# KiCad board fercus-right.kicad_pcb (continued)
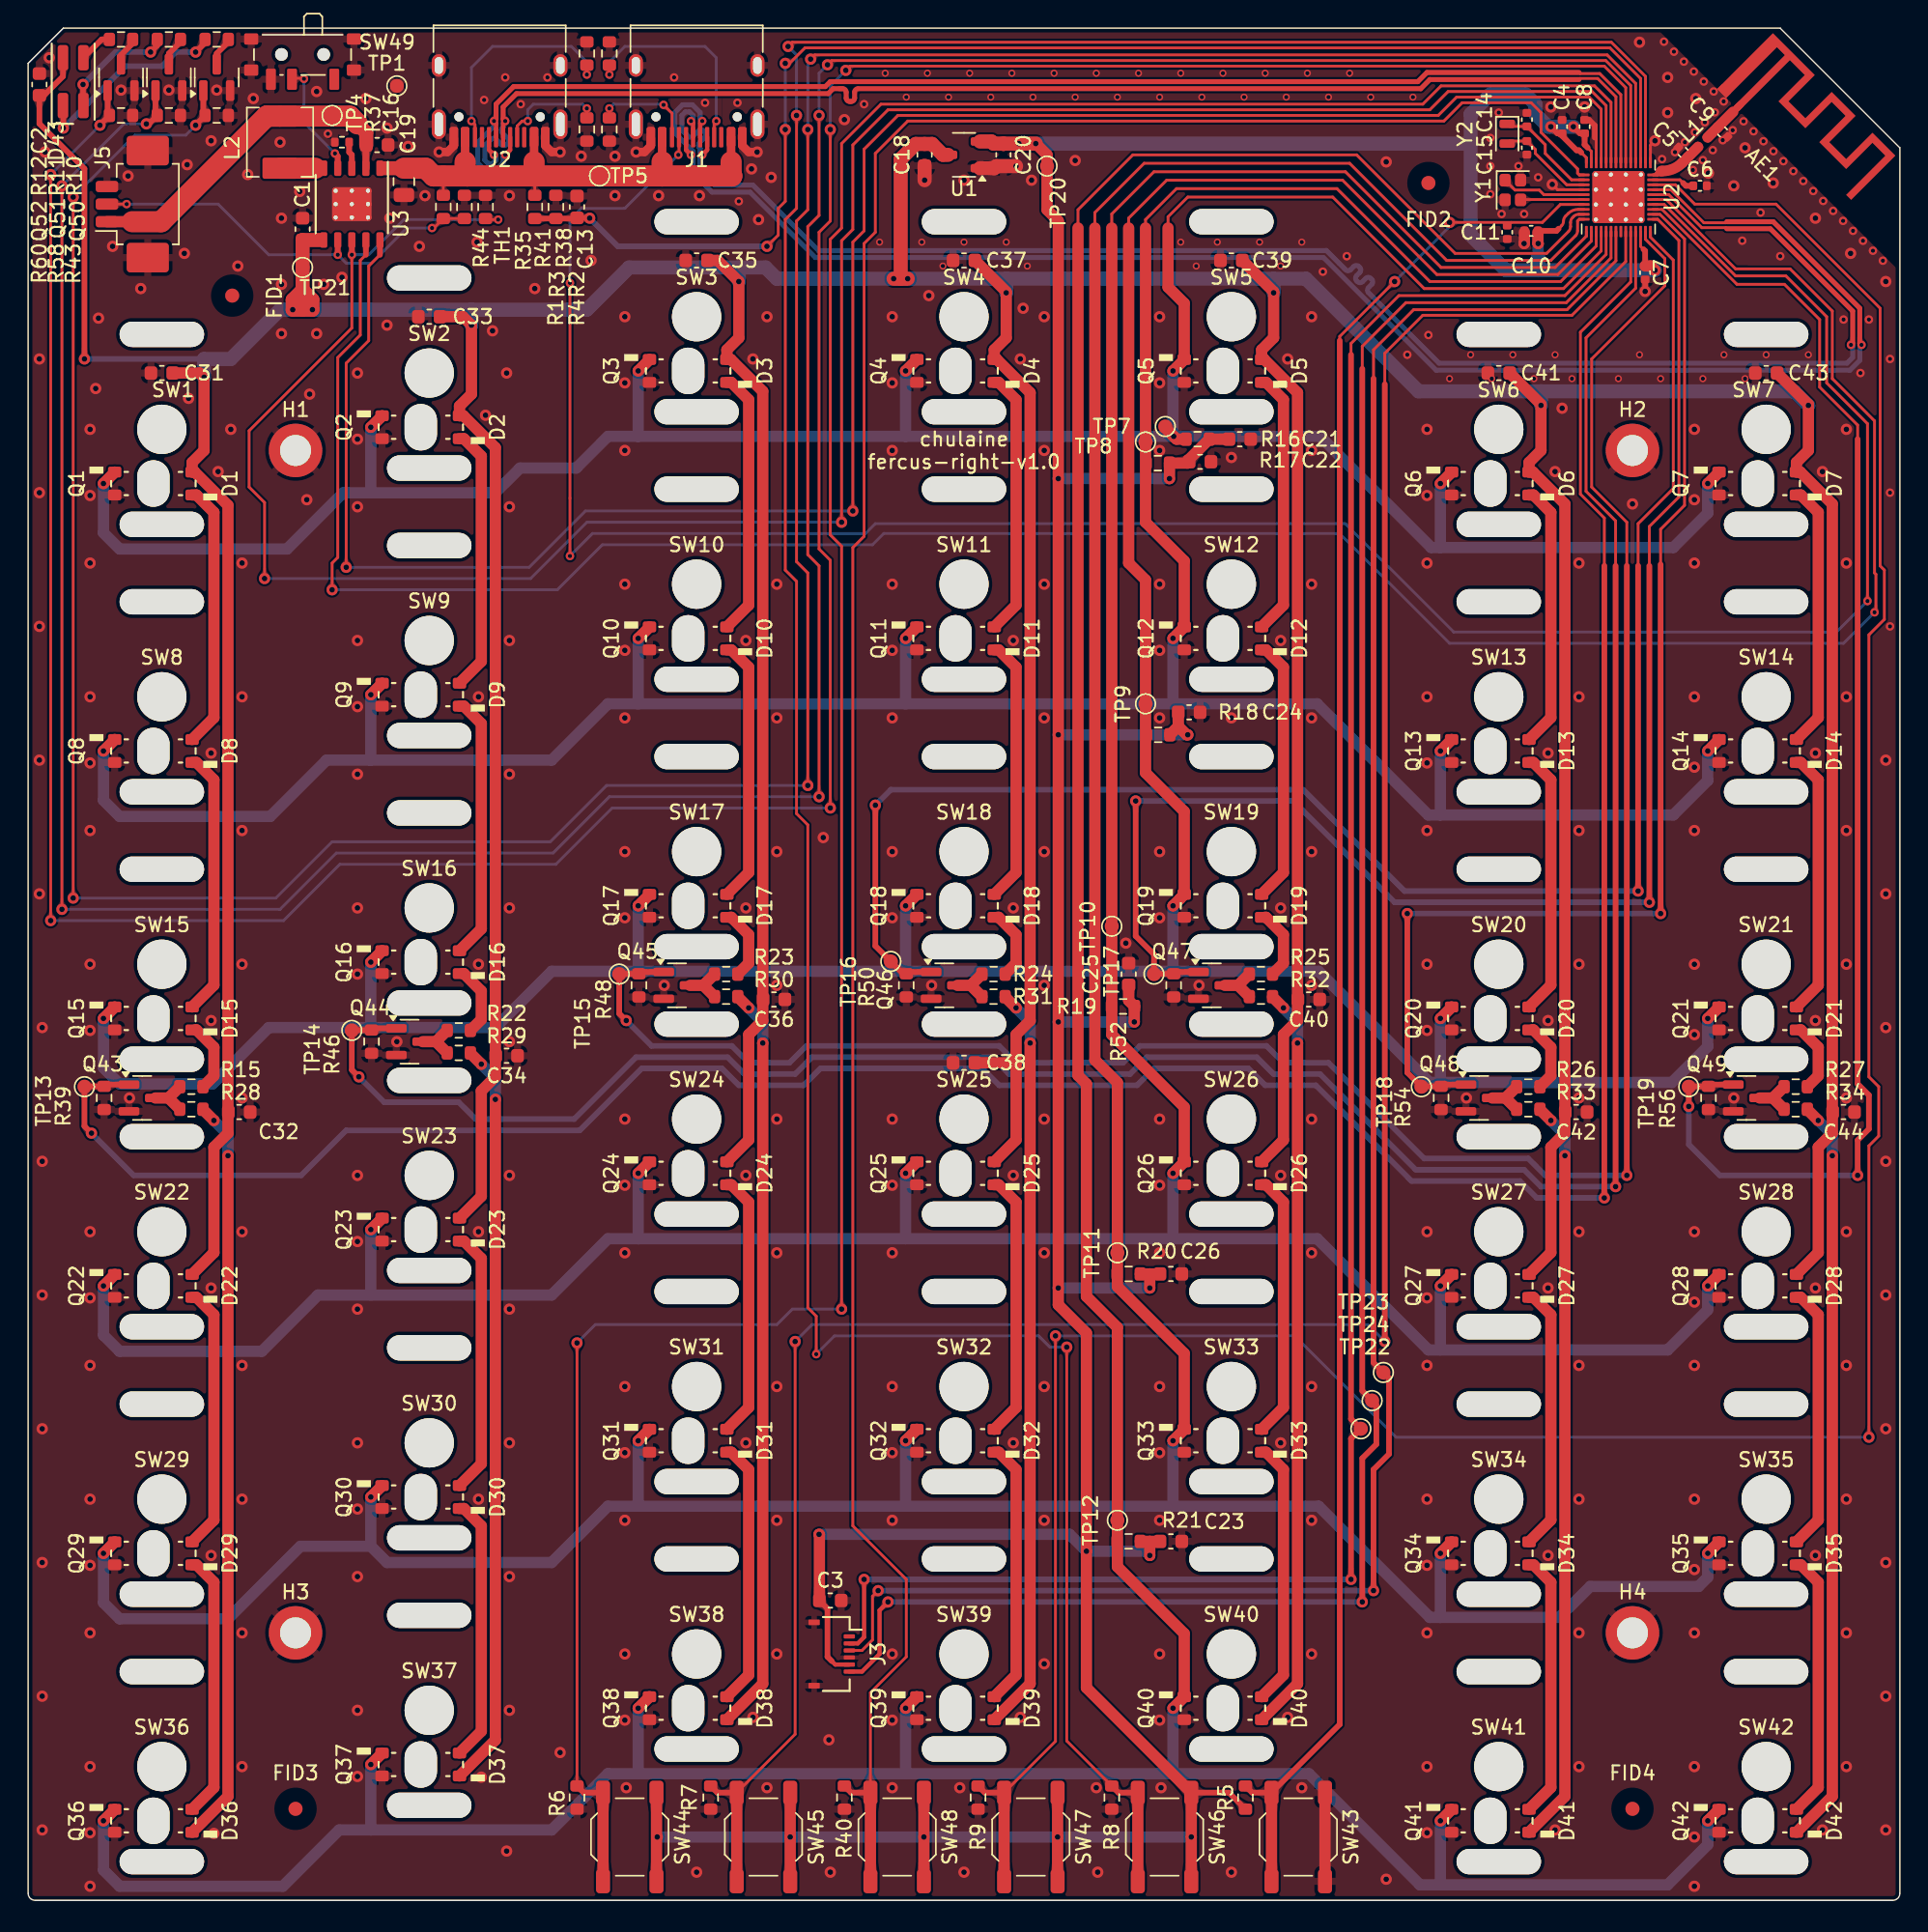
[diagram p0: board, top side]
## Routing (per net, layer and track width the routed paths; a pad name or vN(x,y) marks a point on that pad's centre or on a via; arc(x,y) is an arc through that point) (continued)
OCS32IN: length 7.5
  Top w0.2: U2.2 109.68,122.22 107.8,124.1 107.8,124.72 C14.1 105.28,126.02 Y2.1
OCS32OUT: length 7
  Top w0.2: Y2.2 105.28,124.98 C15.1 107.1,124.38 107.1,124.1 109.32,121.88 U2.3
OCSIN: length 6
  Top w0.2: Y1.1 105.65,121.5 107.38,121.5 107.7,121.17 U2.5
OCSOUT: length 4.5
  Top w0.2: Y1.3 106.08,120.83 U2.6
usart1_tx: length 169.1
  Top w0.2: v2(38.5,95.5) v2(38.5,114.9) ; v2(46.2,124) 46.25,124.05 J1.A8 ; U2.28 116.25,120.47 121.32,115.4 124.9,115.4 127.8,112.5 127.8,107.8 130.7,104.9 v2(130.7,92.3)
  Bottom w0.2: v2(130.7,92.3) 128.5,90.1 101.3,90.1 93.6,97.8 60.2,97.8 59.5,97.1 40.1,97.1 v2(38.5,95.5) ; v2(38.5,114.9) 38.5,119.4 39.3,120.2 42.4,120.2 v2(46.2,124)
usb1-vbus: length 99
  Top w0.2: v1(53.8,125.8) 53.8,120.7 53.3,120.2 53.3,118.3 v1(52.5,117.5) ; v1(53.8,130.5) 54.1,130.5 55.2,131.6 112.4,131.6 114.57,129.43 U2.37
  Top w0.4: 36,119.47 38.95,119.47 C13.1 39.88,119.53 v1(39.9,119.5)
  Bottom w0.2: v1(53.8,130.5) v1(53.8,125.8)
  Bottom w0.4: v1(39.9,119.5) 41.9,117.5 v1(52.5,117.5)
usb1_N: length 121.5
  Top w0.2: U2.30 116.58,121.17 118.93,118.83 120.62,118.83 120.7,118.75
  Top w0.3: 47.1,126.4 47.25,126.25 47.25,125.25 ; 47.9,124 48.25,124.35 48.25,125.25
  Top w0.35: 120.7,118.75 123.8,118.75 129.65,112.9 129.65,110.62 v2(129.53,110.5)
  Bottom w0.35: 47.1,126.43 47.25,126.58 47.25,126.8 47,127.05 46.7,127.05 46.45,126.8 46.45,125.76 46.89,125.32 arc(47.07,125.24) 47.25,125.32 47.63,125.7 arc(47.81,125.77) 47.99,125.7 48.08,125.61 arc(48.16,125.43) 48.08,125.25 47.7,124.87 arc(47.63,124.69) 47.7,124.5 47.75,124.46 47.75,124.18 47.9,124.03 ; v2(129.53,110.5) 129.65,110.38 129.65,109.6 129.25,109.2 100.25,109.2 95.23,114.22 arc(95.16,114.39) 95.23,114.56 95.48,114.8 arc(95.55,114.97) 95.48,115.14 95.39,115.23 arc(95.22,115.3) 95.06,115.23 94.81,114.98 arc(94.64,114.91) 94.47,114.98 94.39,115.07 arc(94.32,115.24) 94.39,115.41 94.63,115.65 arc(94.7,115.82) 94.63,115.99 94.55,116.08 arc(94.38,116.15) 94.21,116.08 93.96,115.83 arc(93.79,115.76) 93.62,115.83 92.25,117.2 56.15,117.2 51.5,121.85 48.8,121.85 47.75,122.9 47.75,123.85 v2(47.9,124)
  vias: v2(47.1,126.4)
usb1_P: length 121.5
  Top w0.2: U2.31 116.72,121.53 119.07,119.17 120.62,119.17 120.7,119.25
  Top w0.3: 47.1,124 46.75,124.35 46.75,125.25 ; 47.9,126.4 47.75,126.25 47.75,125.25
  Top w0.35: 120.7,119.25 124,119.25 130.15,113.1 130.15,110.62 v2(130.28,110.5)
  Bottom w0.35: v2(130.28,110.5) 130.15,110.38 130.15,109.4 129.45,108.7 100.05,108.7 92.05,116.7 55.95,116.7 51.3,121.35 48.6,121.35 47.25,122.7 47.25,123.85 v2(47.1,124) ; 47.1,124.03 47.25,124.18 47.25,124.25 45.95,125.55 45.95,127.01 46.5,127.55 47.2,127.55 47.75,127.01 47.75,126.58 47.9,126.43
  vias: v2(47.9,126.4)
usb2_N: length 96.7
  Top w0.2: 110.2,129.85 110.28,129.78 111.67,129.78 113.18,128.27 U2.41
  Top w0.3: J2.A7 33.25,126.25 v2(33.1,126.4) ; v2(33.9,124) 34.25,124.35 J2.B7
  Top w0.35: v2(33.1,126.4) 33.25,126.55 33.25,127.6 34.5,128.85 56.65,128.85 57,129.2 98.75,129.2 99.4,129.85 110.2,129.85
  Bottom w0.35: v2(33.9,124) 33.75,123.85 33.75,123.42 33.2,122.87 32.5,122.87 31.95,123.42 31.95,124.88 33.25,126.18 33.25,126.25 v2(33.1,126.4)
usb2_P: length 96.7
  Top w0.2: 110.2,129.35 110.28,129.43 111.53,129.43 112.82,128.13 U2.42
  Top w0.3: v2(33.9,126.4) 33.75,126.25 J2.A6 ; v2(33.1,124) 32.75,124.35 J2.B6
  Top w0.35: v2(33.9,126.4) 33.75,126.55 33.75,127.4 34.7,128.35 56.85,128.35 57.2,128.7 57.89,128.7 arc(58.06,128.63) 58.13,128.46 58.13,128.03 arc(58.2,127.86) 58.37,127.79 58.49,127.79 arc(58.66,127.86) 58.73,128.03 58.73,128.46 arc(58.8,128.63) 58.97,128.7 98.95,128.7 99.6,129.35 110.2,129.35
  Bottom w0.35: v2(33.9,126.4) 33.75,126.25 33.75,125.97 33.7,125.92 arc(33.63,125.74) 33.7,125.56 34.08,125.18 arc(34.16,125) 34.08,124.82 33.99,124.73 arc(33.81,124.65) 33.63,124.73 33.25,125.11 arc(33.07,125.18) 32.89,125.11 32.45,124.67 32.45,123.63 32.7,123.37 33,123.37 33.25,123.63 33.25,123.85 v2(33.1,124)
Net-(AE1-A): length 3.2
  Top w0.5: AE1.1 121.15,127.05
  Top w0.75: L1.2 C9.1 121.15,127.05
Net-(D1-K): length 18.8
  Top w0.8: D1.1 11.96,99.84 13.2,98.6 13.2,84.02 D8.2
Net-(D2-K): length 18.8
  Top w0.8: D9.2 32.2,88.02 32.2,102.6 30.97,103.84 D2.1
Net-(D10-A): length 18.8
  Top w0.8: D3.1 49.97,107.84 51.2,106.6 51.2,92.02 D10.2
Net-(D10-K): length 18.8
  Top w0.8: D10.1 49.97,88.83 51.2,87.6 51.2,73.02 D17.2
Net-(D11-A): length 18.8
  Top w0.8: D11.2 70.2,92.02 70.2,106.6 68.97,107.84 D4.1
Net-(D11-K): length 18.8
  Top w0.8: D11.1 68.97,88.83 70.2,87.6 70.2,73.02 D18.2
Net-(D12-A): length 18.8
  Top w0.8: D12.2 89.2,92.02 89.2,106.6 87.97,107.84 D5.1
Net-(D12-K): length 18.8
  Top w0.8: D19.2 89.2,73.02 89.2,87.6 87.97,88.83 D12.1
Net-(D13-A): length 18.8
  Top w0.8: D13.2 108.2,84.02 108.2,98.6 106.97,99.84 D6.1
Net-(D13-K): length 18.8
  Top w0.8: D20.2 108.2,65.02 108.2,79.6 106.97,80.83 D13.1
Net-(D14-A): length 18.8
  Top w0.8: D14.2 127.2,84.02 127.2,98.6 125.97,99.84 D7.1
Net-(D14-K): length 18.8
  Top w0.8: D14.1 125.97,80.83 127.2,79.6 127.2,65.02 D21.2
Net-(D15-A): length 18.8
  Top w0.8: D8.1 11.96,80.83 13.2,79.6 13.2,65.02 D15.2
Net-(D15-K): length 5
  Top w0.8: 12.42,57.8 13.2,58.58 13.2,60.6 11.96,61.83 11.86,61.83
Net-(D16-A): length 18.8
  Top w0.8: D16.2 32.2,69.02 32.2,83.6 30.97,84.83 D9.1
Net-(D16-K): length 5
  Top w0.8: 31.42,61.8 32.2,62.58 32.2,64.6 30.97,65.83 30.87,65.83
Net-(D17-K): length 5
  Top w0.8: 49.86,69.83 49.97,69.83 51.2,68.6 51.2,66.58 R23.1
Net-(D18-K): length 5
  Top w0.8: R24.1 70.2,66.58 70.2,68.6 68.97,69.83 68.86,69.83
Net-(D19-K): length 5
  Top w0.8: 87.86,69.83 87.97,69.83 89.2,68.6 89.2,66.58 R25.1
Net-(D20-K): length 5
  Top w0.8: 106.86,61.83 106.97,61.83 108.2,60.6 108.2,58.58 R26.1
Net-(D21-K): length 5
  Top w0.8: 125.87,61.83 125.97,61.83 127.2,60.6 127.2,58.58 R27.1
Net-(D22-K): length 18.8
  Top w0.8: D22.1 11.96,42.83 13.2,41.6 13.2,27.02 D29.2
Net-(D23-K): length 18.8
  Top w0.8: D23.1 30.97,46.83 32.2,45.6 32.2,31.02 D30.2
Net-(D24-K): length 18.8
  Top w0.8: D31.2 51.2,35.02 51.2,49.6 49.97,50.83 D24.1
Net-(D25-K): length 18.8
  Top w0.8: D25.1 68.97,50.83 70.2,49.6 70.2,35.02 D32.2
Net-(D26-K): length 18.8
  Top w0.8: D33.2 89.2,35.02 89.2,49.6 87.97,50.83 D26.1
Net-(D27-K): length 18.8
  Top w0.8: D34.2 108.2,27.02 108.2,41.6 106.97,42.83 D27.1
Net-(D28-K): length 18.8
  Top w0.8: D28.1 125.97,42.83 127.2,41.6 127.2,27.02 D35.2
Net-(D29-K): length 18.8
  Top w0.8: D36.2 13.2,8.01 13.2,22.6 11.96,23.84 D29.1
Net-(D30-K): length 18.8
  Top w0.8: D37.2 32.2,12.01 32.2,26.6 30.97,27.83 D30.1
Net-(D31-K): length 18.8
  Top w0.8: D31.1 49.97,31.83 51.2,30.6 51.2,16.01 D38.2
Net-(D32-K): length 18.8
  Top w0.8: D39.2 70.2,16.01 70.2,30.6 68.97,31.83 D32.1
Net-(D33-K): length 18.8
  Top w0.8: D33.1 87.97,31.83 89.2,30.6 89.2,16.01 D40.2
Net-(D34-K): length 18.8
  Top w0.8: D41.2 108.2,8.01 108.2,22.6 106.97,23.84 D34.1
Net-(D35-K): length 18.8
  Top w0.8: D42.2 127.2,8.01 127.2,22.6 125.97,23.84 D35.1
Net-(D36-K): length 53.1
  Top w0.8: 12.42,56.17 v1(13.2,55.4) ; v1(14.2,52.9) 14.2,7.38 D36.1
  Bottom w0.8: v1(13.2,55.4) 14.2,54.4 v1(14.2,52.9)
Net-(D37-K): length 53.1
  Top w0.8: D37.1 33.2,11.38 v1(33.2,56.9) ; 31.42,60.17 v1(32.2,59.4)
  Bottom w0.8: v1(33.2,56.9) 33.2,58.4 v1(32.2,59.4)
Net-(D38-K): length 53.2
  Top w0.8: v1(52.2,60.9) 52.2,15.38 D38.1 ; v1(51.2,63.4) 50.42,64.17 R30.1
  Bottom w0.8: v1(51.2,63.4) 52.2,62.4 v1(52.2,60.9)
Net-(D39-K): length 53.1
  Top w0.8: D39.1 71.2,15.38 v1(71.2,60.9) ; 69.42,64.17 v1(70.2,63.4)
  Bottom w0.8: v1(71.2,60.9) 71.2,62.4 v1(70.2,63.4)
Net-(D40-K): length 53.1
  Top w0.8: 88.42,64.17 v1(89.2,63.4) ; D40.1 90.2,15.38 v1(90.2,60.9)
  Bottom w0.8: v1(89.2,63.4) 90.2,62.4 v1(90.2,60.9)
Net-(D41-K): length 53.1
  Top w0.8: v1(109.2,52.9) 109.2,7.38 D41.1 ; 107.42,56.17 v1(108.2,55.4)
  Bottom w0.8: v1(109.2,52.9) 109.2,54.4 v1(108.2,55.4)
Net-(D42-K): length 53.1
  Top w0.8: 126.43,56.17 v1(127.2,55.4) ; v1(128.2,52.9) 128.2,7.38 D42.1
  Bottom w0.8: v1(128.2,52.9) 128.2,54.4 v1(127.2,55.4)
Net-(D43-BK): length 2.4
  Top w0.4: D43.3 5.23,132.2 R12.2
Net-(D43-GK): length 8.4
  Top w0.4: D43.4 3.9,127.53 v1(3.9,129) ; v1(8.7,131.3) 9.18,131.78 R11.2
  Bottom w0.4: v1(8.7,131.3) 6.2,131.3 v1(3.9,129)
Net-(D43-RK): length 14.4
  Top w0.4: 2.48,127.5 2.5,127.47 v1(2.5,125.9) ; 12.58,132.2 12.58,131.97 v1(11.9,131.3)
  Bottom w0.4: v1(11.9,131.3) 10.5,131.3 9.5,130.3 6.9,130.3 v1(2.5,125.9)
Net-(J1-CC1): length 15.7
  Top w0.2: J1.A5 48.75,126.25 v2(48.9,126.4) ; R2.2 v2(41.3,129.7)
  Bottom w0.2: v2(48.9,126.4) 48.9,130.9 48.1,131.7 42.4,131.7 41.3,130.6 v2(41.3,129.7)
Net-(J1-CC2): length 7.2
  Top w0.2: R4.2 v2(41.3,127.3) ; J1.B5 45.75,126.95 v2(45.15,127.55)
  Bottom w0.2: v2(41.3,127.3) 41.6,127.6 45.1,127.6 v2(45.15,127.55)
Net-(J2-CC1): length 7.7
  Top w0.2: J2.A5 34.75,126.05 35.1,126.4 v2(35.5,126.4) ; R1.2 v2(39.7,127.3)
  Bottom w0.2: v2(35.5,126.4) 35.5,127.2 35.9,127.6 39.4,127.6 v2(39.7,127.3)
Net-(J2-CC2): length 15.9
  Top w0.2: R3.2 v2(39.7,129.7) ; v2(31.5,126.4) 31.75,126.15 J2.B5
  Bottom w0.2: v2(39.7,129.7) 39.7,130.6 38.6,131.7 33,131.7 31.5,130.2 v2(31.5,126.4)
Net-(Q43-D): length 3.2
  Top w0.8: 9.98,57 R15.2 ; 9.98,57 R28.2 ; 9.98,57 Q43.3
Net-(Q44-D): length 3.2
  Top w0.8: 28.98,61 R22.2 ; 28.98,61 R29.2 ; 28.98,61 Q44.3
Net-(Q45-D): length 3.2
  Top w0.8: 47.97,65 48.78,64.2 ; 47.97,65 48.78,65.8 ; 47.97,65 Q45.3
Net-(Q46-D): length 3.2
  Top w0.8: Q46.3 66.97,65 ; 66.97,65 67.78,65.8 ; 66.97,65 67.78,64.2
Net-(Q47-D): length 3.2
  Top w0.8: 85.97,65 86.78,65.8 ; 85.97,65 Q47.3 ; 85.97,65 86.78,64.2
Net-(Q48-D): length 3.2
  Top w0.8: 104.97,57 105.78,57.8 ; 104.97,57 105.78,56.2 ; 104.97,57 Q48.3
Net-(Q49-D): length 3.2
  Top w0.8: Q49.3 123.97,57 ; 123.97,57 R34.2 ; 123.97,57 R27.2
Net-(Q50-D): length 2.1
  Top w0.4: R10.1 14.23,132.03 13.4,131.2 Q50.3
Net-(Q51-D): length 2.1
  Top w0.4: Q51.3 10,131.2 10.82,132.03 R11.1
Net-(Q52-D): length 2.1
  Top w0.4: R12.1 7.43,131.93 6.6,131.1 Q52.3
Net-(U3-ISEt): length 1.9
  Top w0.4: R37.1 22.81,124.19 23,124 U3.3
Net-(U3-SW): length 2.5
  Top w1.5: L2.2 20.4,123.05

## Copper pours and planes (outline as drawn; the poured copper is in the pictures)
+5V on Bottom: 63.3,115.7 63.3,113.7 60.7,113.7 60.7,115.7
GND on Top: 121.12,125.89 118.71,128.29 119.56,129.14 121.97,126.73
GND on Top: 49.3,128 45.6,128 45.6,123.1 49.3,123.1
GND on Top: 122.25,126.03 117.8,121.58 115.68,123.7 120.13,128.15
GND on Top: 128.25,112.05 116.2,120.25 115.15,120.25 115.15,121.95 122.6,122 130.75,115.75 130.75,108.05 128.25,108.05
GND on Top, Bottom: 133,0 0,0 0,133 133,133
GND on Top, Bottom: 25,118.5 21,118.5 21,122.5 25,122.5
GND on Bottom: 115.5,123.5 115.5,118.5 110.5,118.5 110.5,123.5
GND on Bottom: 31.8,127.1 35,127.1 35,122.2 31.8,122.2

Small or netless copper shapes (teardrops, artwork), in the pictures only: 281 on Top, 97 on Bottom

## Text on the board
F.Silkscreen: chulaine / fercus-right-v1.0
